# Altium PCB ArduinoProMiniPCB.PcbDoc
Units mm, origin at the board's own origin, x right, y up, seen from the top; angles counter-clockwise.
Board outline 59.9 x 30 mm, 2 copper layers (Top Layer, Bottom Layer), stack 1.671 mm thick; 26 components, 33 nets, 123 pads, 5 vias.
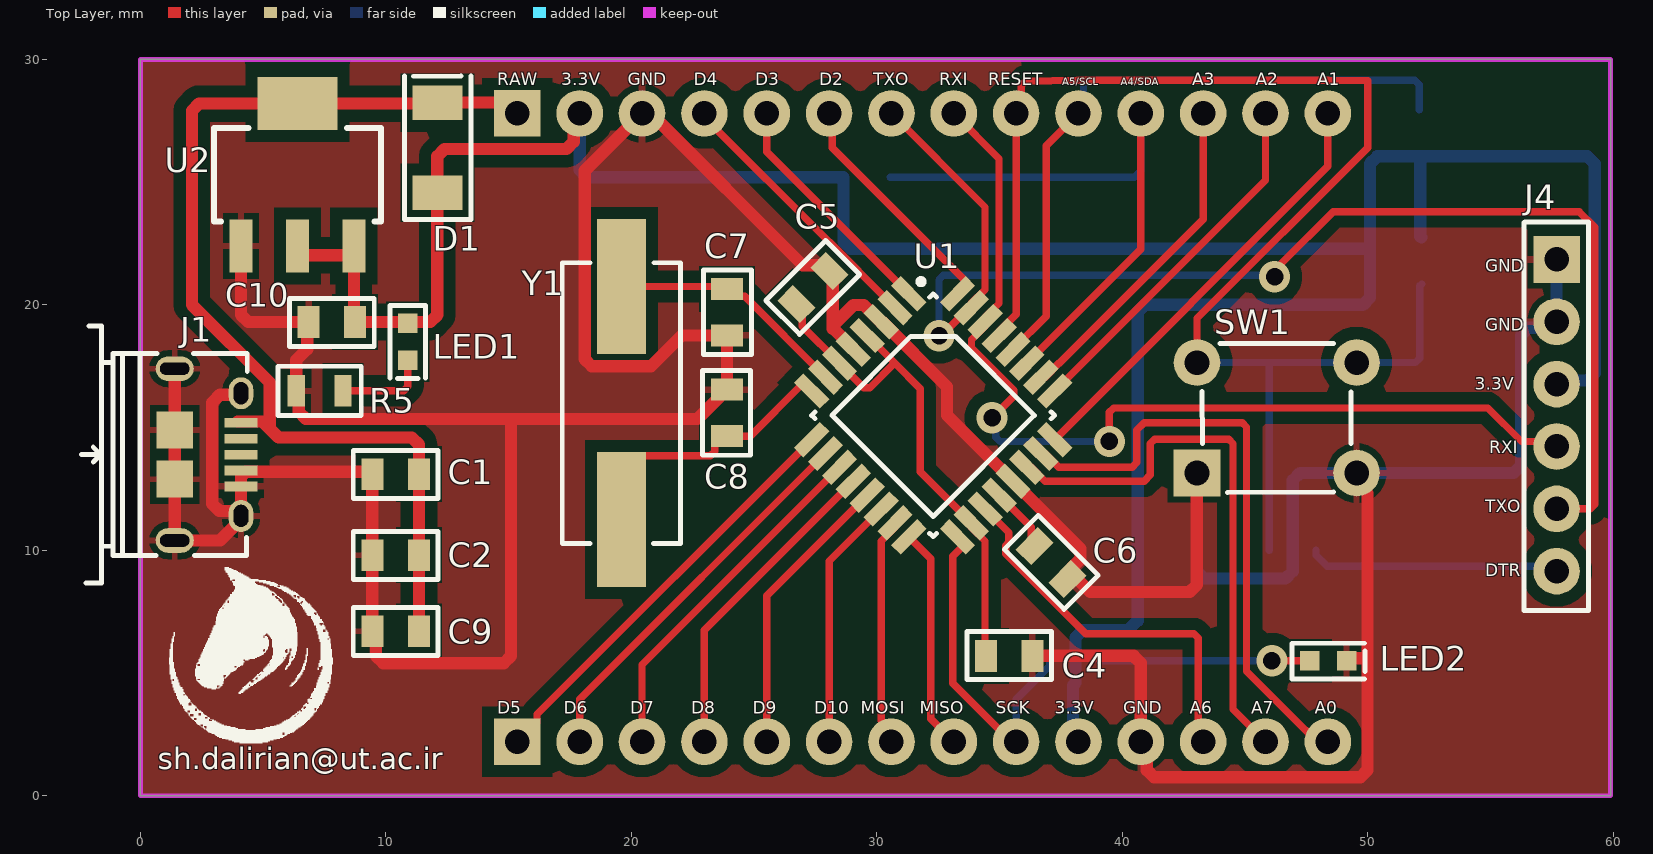
[diagram p0: Top Layer view]
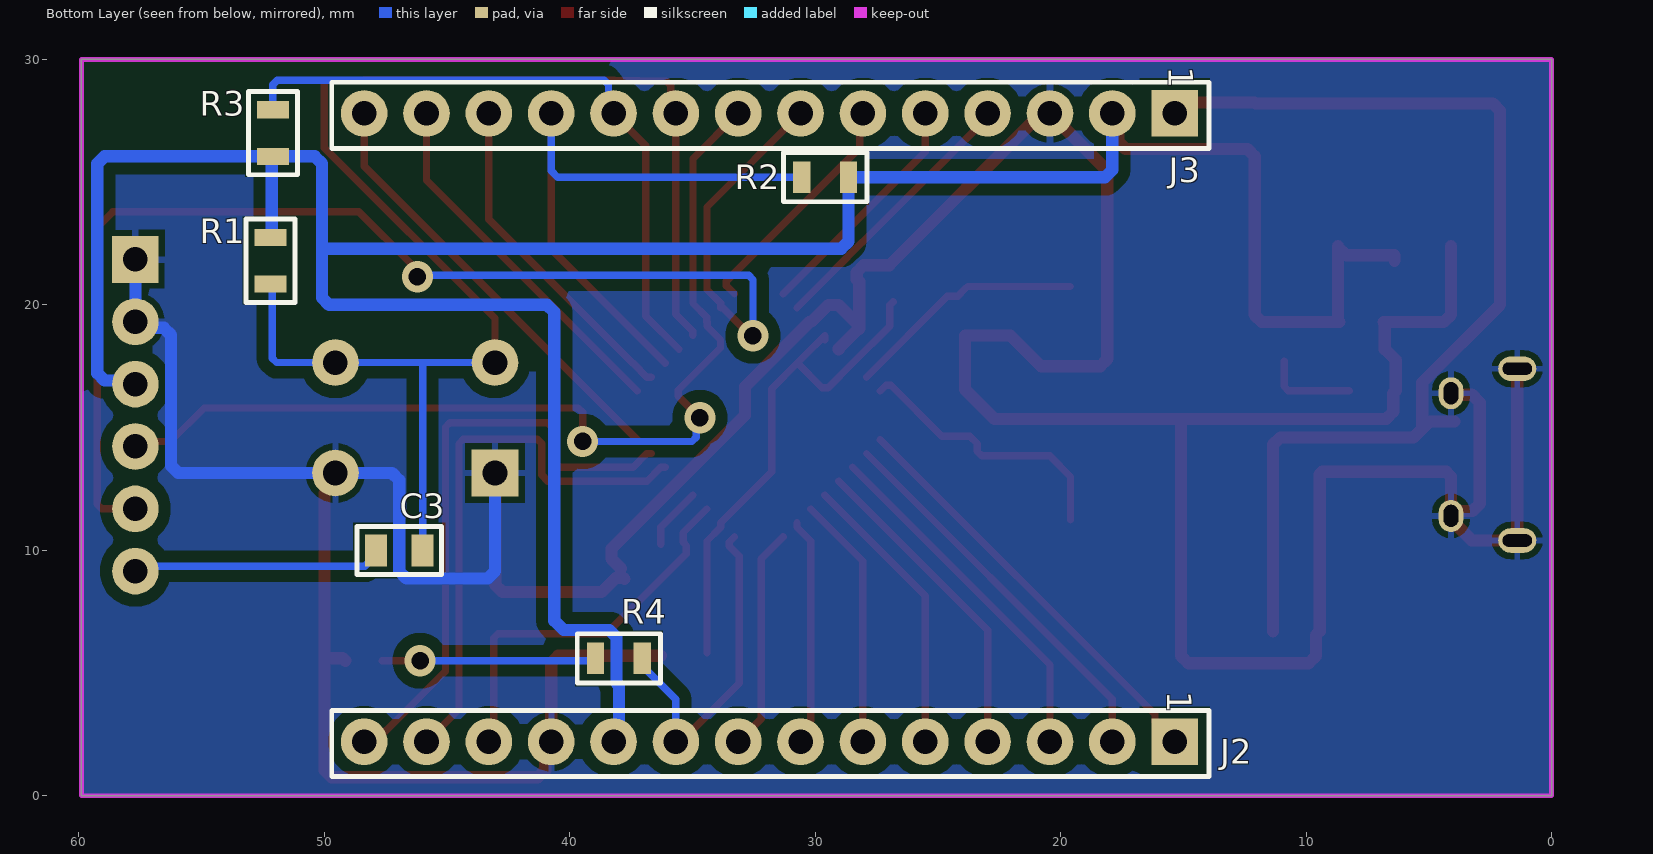
[diagram p1: Bottom Layer view, seen from below]
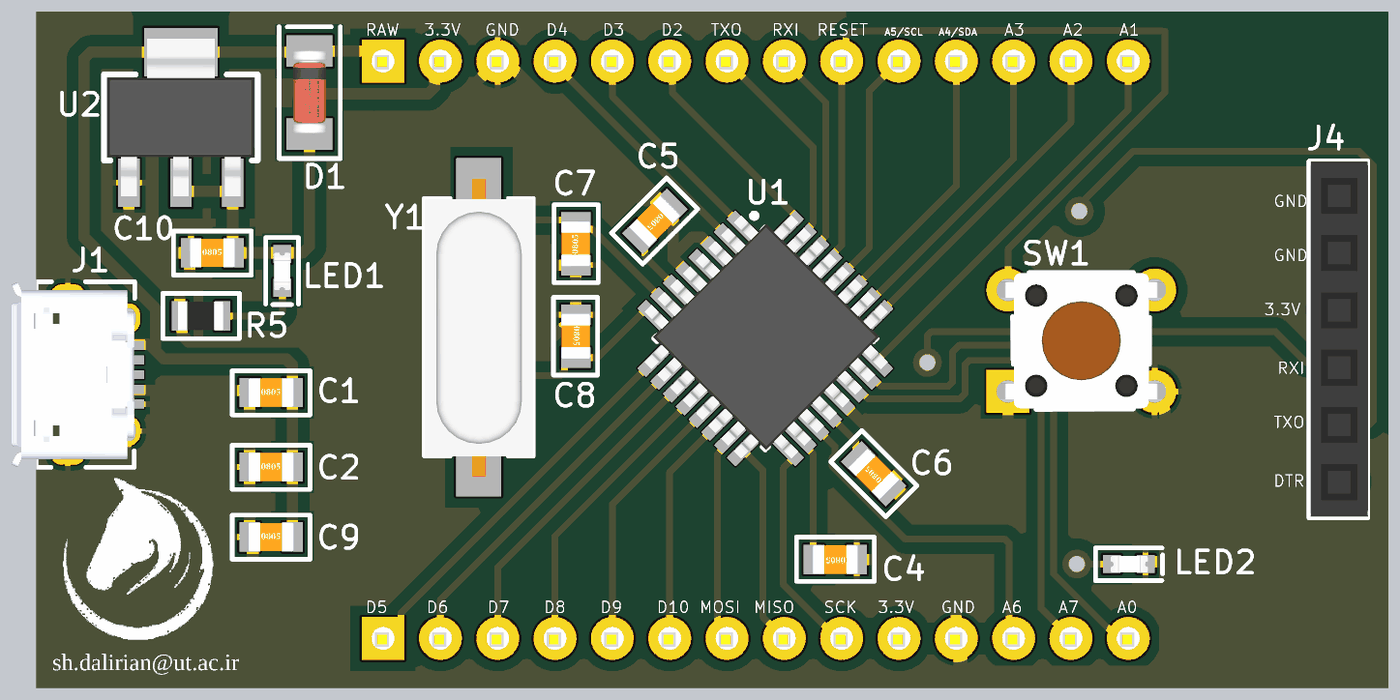
[diagram p2: 3D render of the assembled board from above, using the file's embedded part models]
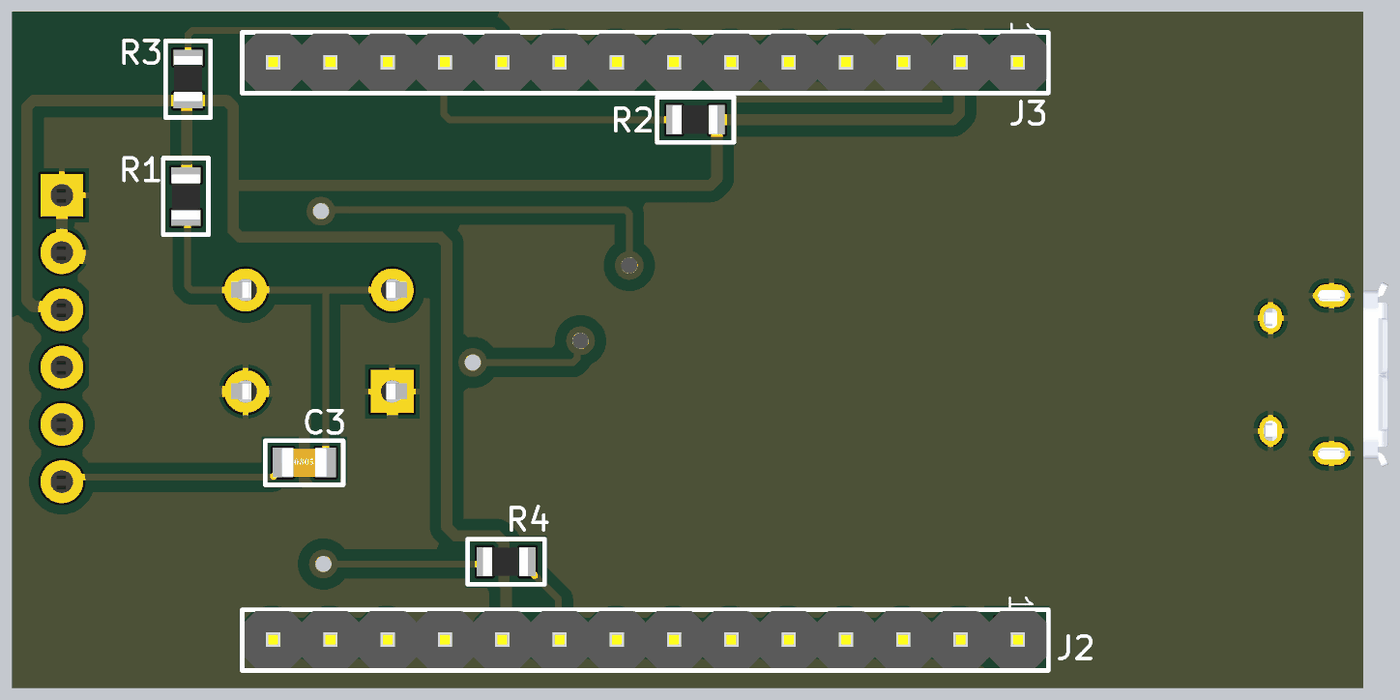
[diagram p3: 3D render of the assembled board from below, using the file's embedded part models]

## Layer stack, top to bottom
Top Solder: solder mask 0.0102, Solder Resist, Dk 3.5
Top Layer: signal copper 0.0356
Dielectric 1: dielectric 1.6, FR-4, Dk 4.8
Bottom Layer: signal copper 0.0356
Bottom Solder: solder mask 0.0102, Solder Resist, Dk 3.5

## Board outline
0,0 0,30 59.9,30 59.9,0

## Design rules (kind name [scope] priority, off if disabled: settings)
Clearance Clearance-polygon [InPolygon] p1: gap=0.5 ignorepadtopadclearanceinfootprint=FALSE
Clearance Clearance_1 [All] p2: gap=0.25 ignorepadtopadclearanceinfootprint=FALSE
HoleSize [All] p1: absolutevalues=TRUE maxlimit=5 minlimit=0.1 maxpercent=80.000 minpercent=20.000
HoleToHoleClearance [All] p1: gap=0.2 allowstackedmicrovias=TRUE
MinimumSolderMaskSliver [All] p1: minsoldermaskwidth=0.1
PolygonConnect [All] p1: connectstyle=Relief reliefconductorwidth=0.254 reliefentries=4 polygonreliefangle="90 Angle" airgapwidth=0.254
RoutingVias [All] p1: holewidth=0.6 width=0.8 viastyle="Through Hole" minholewidth=0.5 minwidth=0.7 maxholewidth=1 maxwidth=2
SilkToSilkClearance [All] p1: silktosilkclearance=0.1
SilkToSolderMaskClearance [IsPad] p1: minsilkscreentomaskgap=0.1 clearancetoexposedcopper=TRUE
SolderMaskExpansion [All] p1: expansion=0.102 istentingtop=FALSE
SupplyNets "Schematic Supply Nets_1" [InNet('3.3 V')] p1: voltage=0.000
SupplyNets "Schematic Supply Nets" [InNet('GND')] p2: voltage=0.000
Width [All] p1: maxlimit=1 minlimit=0.25 preferedwidth=0.3
25 further rules are at their usual default settings.

## Components (designator, comment, footprint, x,y, rotation, side; value= is the part's Value field where it differs from the comment)
C1 "100nF / 50V" "C 0805" 10.4,13.1 r0 top value=100nF
C2 "10uF / 16V" "C 0805" 10.4,9.8 r0 top value=10uF
C3 "100nF / 50V" "C 0805" 46.95,10 r180 bottom value=100nF
C4 "100nF / 50V" "C 0805" 35.4,5.7 r180 top value=100nF
C5 "100nF / 50V" "C 0805" 27.4,20.7 r225 top value=100nF
C6 "100nF / 50V" "C 0805" 37.1,9.5 r135 top value=100nF
C7 "100nF / 50V" "C 0805" 23.9,19.7 r90 top value=100nF
C8 "100nF / 50V" "C 0805" 23.9,15.6 r270 top value=100nF
C9 "10uF / 16V" "C 0805" 10.4,6.7 r0 top value=10uF
C10 "10uF / 16V" "C 0805" 7.8,19.3 r0 top value=10uF
D1 "1N4148UR-1" DO-213AA 12.1,26.4 r90 top value=4pF
J1 "USB connector" "USB connector" 4.1,13.9 r270 top
J2 "Header 1*14 Male" "Header 1*14 Male" 31.87,2.2 r270 bottom
J3 "Header 1*14 Male" "Header 1*14 Male" 31.87,27.8 r270 bottom
J4 "Header 1*6 Female" "Header 1*6 Female" 57.7,15.5 r0 top
LED1 "Blue" "LED 0603" 10.9,18.5 r270 top
LED2 "LED White" "LED 0603" 48.4,5.5 r0 top
R1 "10KR" "R 0805" 52.2,21.8 r90 bottom value=10kR
R2 "10KR" "R 0805" 29.6,25.2 r180 bottom value=10kR
R3 "10KR" "R 0805" 52.1,27 r270 bottom value=10kR
R4 "330R" "R 0805" 38,5.6 r180 bottom
R5 "330R" "R 0805" 7.3,16.5 r0 top
SW1 "1825910-6" SW-1825910-6 46.3,15.4 r90 top
U1 "ATMEGA328-AUR" TQFP32 32.3,15.5 r315 top
U2 "LM1117MPX-3.3/NOPB" SOT223 6.4,25.3 r90 top
Y1 "8MHz" CSM-7x 19.6,16 r270 top

## Footprints (in the part's own frame and the unit in brackets; to place one, negate y for a bottom-side part, rotate by r counter-clockwise, add the part's x,y. Pads: shape width x height; smd on the part's side, far side on the other; paste and mask are expansions set on the pad)
"C 0805" [mm]
  rect 0.9x1.3 smd: 1(-0.95,0) 2(0.95,0)
  silkscreen extent -1.73,-0.99 1.73,0.97, body extent -1,-0.64 1,0.64, height 1.3
CSM-7x [mm]
  rect 5.5x2 smd: 1(-4.75,0) 2(4.75,0)
  silkscreen extent -5.72,-2.41 5.72,2.41, body extent -6.57,-2.39 6.63,2.41, height 4.31
DO-213AA [mm]
  rect 1.4x2.03 smd: 1(-1.84,0) 2(1.84,0)
  silkscreen extent -2.92,-1.37 2.92,1.35, body extent -1.82,-0.79 1.88,0.79, height 1.6
"Header 1*6 Female" [mm]
  rect 1.9x1.9 hole 1: 1(0,6.35)
  round 1.9 hole 1: 2(0,3.81) 3(0,1.27) 4(0,-1.27) 5(0,-3.81) 6(0,-6.35)
  silkscreen extent -1.32,-7.95 1.3,7.87, body extent -1.24,-7.9 1.3,7.84, height 8.51
"Header 1*14 Male" [mm]
  rect 1.9x1.9 hole 1: 1(0,16.51)
  round 1.9 hole 1: 2(0,13.97) 3(0,11.43) 4(0,8.89) 5(0,6.35) 6(0,3.81) 7(0,1.27) 8(0,-1.27) 9(0,-3.81) 10(0,-6.35) 11(0,-8.89) 12(0,-11.43) 13(0,-13.97) 14(0,-16.51)
  silkscreen extent -1.27,-17.83 1.42,17.91, body extent -1.22,-17.73 1.32,17.83, height 8.51
"LED 0603" [mm]
  rect 0.8x0.8 smd: 1(-0.75,0) 2(0.75,0)
  silkscreen extent -1.47,-0.74 1.5,0.71, body extent -0.8,-0.37 0.85,0.36, height 0.68
"R 0805" [mm]
  rect 0.7x1.3 smd: 1(-0.95,0) 2(0.95,0)
  silkscreen extent -1.7,-1 1.7,1, body extent -1.03,-0.63 0.97,0.63, height 0.61
SOT223 [mm]
  rect 2.15x0.95 smd: 1(-2.9,2.3) 2(-2.9,0) 3(-2.9,-2.3)
  rect 2.15x3.25 smd: 4(2.9,0)
  silkscreen extent -1.91,-3.4 1.91,3.4, body extent -3.5,-3.25 3.5,3.25, height 1.66
SW-1825910-6 [mm]
  rect 1.9x1.9 hole 1: 1(-2.25,3.25)
  round 1.9 hole 1: 2(-2.25,-3.25) 3(2.25,-3.25) 4(2.25,3.25)
  silkscreen extent -3.05,-3.02 3.02,3.05, body extent -3,-3.9 3,3.9, height 5
TQFP32 [mm]
  rect 1.5x0.55 smd mask+0.06: 1(-4.2,2.8) 2(-4.2,2) 3(-4.2,1.2) 4(-4.2,0.4) 5(-4.2,-0.4) 6(-4.2,-1.2) 7(-4.2,-2) 8(-4.2,-2.8) 17(4.2,-2.8) 18(4.2,-2) 19(4.2,-1.2) 20(4.2,-0.4) 21(4.2,0.4) 22(4.2,1.2) 23(4.2,2) 24(4.2,2.8)
  rect 0.55x1.5 smd mask+0.06: 9(-2.8,-4.2) 10(-2,-4.2) 11(-1.2,-4.2) 12(-0.4,-4.2) 13(0.4,-4.2) 14(1.2,-4.2) 15(2,-4.2) 16(2.8,-4.2) 25(2.8,4.2) 26(2,4.2) 27(1.2,4.2) 28(0.4,4.2) 29(-0.4,4.2) 30(-1.2,4.2) 31(-2,4.2) 32(-2.8,4.2)
  silkscreen extent -4.3,-3.5 3.5,3.6, body extent -4.63,-4.52 4.57,4.67, height 1.2
"USB connector" [mm]
  rect 0.4x1.35 smd mask+0.06: 1(-1.295,0) 2(-0.645,0) 3(0.005,0) 4(0.655,0) 5(1.305,0)
  oval 1.3x1 hole 0.6 slot 0.9 at 0 deg mask+0.06: 6(-2.5,0) 7(2.5,0)
  oval 1x1.55 hole 0.5 slot 1.2 at 90 deg mask+0.06: 8(-3.5,-2.7) 9(3.5,-2.7)
  rect 1.5x1.5 smd mask+0.06: 10(-1,-2.7) 11(1,-2.7)
  silkscreen extent -5.23,-6.5 5.23,0.25, body extent -4.1,-5.2 4.1,0.23, height 2.66

## Part data
C1 C3 C4 C5 C6 C7 C8: library part C0805C104Z5VACTU, "Capacitor; Ceramic; Cap; .100uF; Tol%; -20%; SMT; Vol-Rtg 50V; Y5V; TR", Case Code (Imperial)=0805, Case Code (Metric)=2012, Dielectric=Y5V, Dielectric Material=Ceramic, Manufacturer=KEMET, Max Operating Temperature=85°C, Min Operating Temperature=-30°C, Package Quantity=1, Supplier Part Number=80-C0805C104Z5V, Tolerance=80%, Voltage=50V, Case/Package=0805, Category="Ceramic Capacitors", ComponentLink1Description=https://datasheet.ciiva.com/7842/1470417-7842543.pdf?src-supplier=Element14, ComponentLink1URL=https://datasheet.ciiva.com/7842/1470417-7842543.pdf?src-supplier=Element14, ComponentLink2Description=https://datasheet.ciiva.com/14608/70095383-14608251.pdf?src-supplier=Allied+Electronics, ComponentLink2URL=https://datasheet.ciiva.com/14608/70095383-14608251.pdf?src-supplier=Allied+Electronics, ComponentLink3Description=https://datasheet.ciiva.com/14597/70095383-14597846.pdf?src-supplier=Allied+Electronics, ComponentLink3URL=https://datasheet.ciiva.com/14597/70095383-14597846.pdf?src-supplier=Allied+Electronics, Construction=Flat, Depth=1.25mm, Dissipation Factor=5%, Height=0.9mm, Lead Free=5697LeadFree, Lead Pitch=0.75mm, Length=2mm, Manufacturer Part Number=C0805C104Z5VACTU, Material=4241ConductorMaterial, Mounting Technology="Surface Mount,PCB", Packaging="Tape and Reel", Pins=2NUMBER, Pricing="1=0.1, 10=0.029, 50=0.029, 100=0.018, 1000=0.013, 10000=0.007 (USD)", Radiation Hardening=No, Reach SVHC Compliant=No, RoHS=Yes, RoHS Compliant=Yes, Series=C0805C, Stock=172361, Supplier=Mouser, Termination=SMD/SMT, Thickness=0.039inch, Voltage Rating=50V, Voltage Rating (DC)=50V, Width=0.049inch
C2 C9 C10: library part C0805C106K4PACTU, "Ceramic capacitor, 10 µF, 16 V (DC), ±10 %, SMD 0805, X5R, C0805C106K4PAC7800", Case Code (Imperial)=0805, Case Code (Metric)=2012, Dielectric=X5R, Dielectric Material=Ceramic, Manufacturer=KEMET, Max Operating Temperature=85°C, Min Operating Temperature=-55°C, Package Quantity=1, Supplier Part Number=80-C0805C106K4P, Tolerance=10%, Voltage=16V, Case/Package=0805, Category="Ceramic Capacitors", ComponentLink1Description=https://datasheet.ciiva.com/7842/1732713-7842196.pdf?src-supplier=Element14, ComponentLink1URL=https://datasheet.ciiva.com/7842/1732713-7842196.pdf?src-supplier=Element14, ComponentLink2Description=https://datasheet.ciiva.com/28682/1831760-28682305.pdf?src-supplier=Element14, ComponentLink2URL=https://datasheet.ciiva.com/28682/1831760-28682305.pdf?src-supplier=Element14, ComponentLink3Description=https://datasheet.ciiva.com/11787/0900766b8116eb59-11787314.pdf?src-supplier=Rs, ComponentLink3URL=https://datasheet.ciiva.com/11787/0900766b8116eb59-11787314.pdf?src-supplier=Rs, ComponentLink4Description=https://datasheet.ciiva.com/7842/1732713-7842197.pdf?src-supplier=Element14, ComponentLink4URL=https://datasheet.ciiva.com/7842/1732713-7842197.pdf?src-supplier=Element14, Construction=Flat, Depth=1.25mm, Dissipation Factor=5%, Height=1.25mm, Lead Free="Lead Free", Length=2mm, Manufacturer Part Number=C0805C106K4PACTU, Material=4241ConductorMaterial, Mounting Technology="Surface Mount", Packaging="Tape and Reel", Pins=2, Pricing="1=0.16, 10=0.09, 50=0.09, 100=0.056, 1000=0.04, 10000=0.025 (USD)", Radiation Hardening=No, Reach SVHC Compliant=No, RoHS=Yes, RoHS Compliant=Yes, Series=C, Stock=247073, Supplier=Mouser, Termination=SMD/SMT, Thickness=0.055inch, Voltage Rating=16V, Voltage Rating (DC)=16V, Width=0.049inch
D1: "Rectifier Diode Switching 75V 0.2A 5ns 2-Pin DO-213AA Bag", Average Rectified Current=200mA, Forward Current=100mA, Forward Voltage=1.2V, Manufacturer=Microchip, Max Forward Surge Current (Ifsm)=2A, Max Operating Temperature=175°C, Max Repetitive Reverse Voltage (Vrrm)=75V, Max Reverse Current=500nA, Min Operating Temperature=-65°C, Supplier Part Number=1N4148UR-1-ND, Category="Rectifier Diodes", Element Configuration=5460ElementConfiguration, Height=1.7mm, Lead Free=5697LeadFree, Manufacturer Part Number=1N4148UR-1, Max Reverse Voltage (DC)=75V, Mounting Technology=8Mount, Packaging=14Packaging, Peak Non-Repetitive Surge Current=2A, Pins=2NUMBER, Pricing="1=0.91, 100=0.85 (USD)", Radiation Hardening=5898YesNo, Reverse Recovery Time=5ns, Reverse Voltage=75V, RoHS=No, Stock=66011, Supplier=Digikey
J1: library part 10118194-0001LF, "CONN USB MICRO B RECPT SMT R/A", Color=Black, Current Rating=1.8A, Flammability Rating="UL94 V-0", Insulation Resistance=1GR, Manufacturer="Amphenol ICC / FCI", Max Operating Temperature=85°C, Max Voltage Rating (AC)=100V, Min Operating Temperature=-55°C, Package Quantity=9600, Supplier Part Number=609-4618-1-ND, Category=LDO, Connector Type=USB,Receptacle, Contact Material="Copper Alloy", Contact Plating=Gold, Depth=5mm, Features=Shielded, Gender=Receptacle, Housing Material=Polymer, Length=8.05mm, Manufacturer Part Number=10118194-0001LF, Mounting Technology="Surface Mount,Horizontal", Number of Contacts=5, Number of Ports=1, Orientation="Right Angle", Packaging="Tape and Reel", Pins=5, Pricing="1=0.43, 10=0.367, 25=0.3436, 50=0.3272, 100=0.3116, 250=0.29204, 500=0.27808 (USD)", RoHS=No, Series=-, Stock=43110, Supplier=Digikey, Termination=Solder
J2 J3: library part PH1-14-UA, "Conn Unshrouded Header HDR 14 POS 2.54mm Solder ST Thru-Hole Bag", Flammability Rating="UL94 V-0", Insulation Color=Black, Manufacturer="Adam Equipment", Max Operating Temperature=105°C, Min Operating Temperature=-40°C, Supplier Part Number=2057-PH1-14-UA-ND, Voltage Rating (AC)=250V, Category=Connectors, ComponentLink1Description=https://datasheet.ciiva.com/16480/catpg250-254-16480235.pdf?src-supplier=Future+Electronics, ComponentLink1URL=https://datasheet.ciiva.com/16480/catpg250-254-16480235.pdf?src-supplier=Future+Electronics, Connector Type=Header, Contact Finish - Mating=GOLD, Contact Material=Brass, Contact Shape=Square, Contact Type="Male Pin", Fastening Type=Pull, Insulation Material=PBT, Lead Free="Lead Free", Manufacturer Part Number=PH1-14-UA, Mounting Technology="Through Hole", Number of Positions=14, Number of Rows=1, Packaging=Bulk, Pricing="1=0.19, 10=0.158, 100=0.1345, 500=0.12, 1000=0.11426, 5000=0.10199, 10000=0.09712 (USD)", RoHS=Yes, Series=PH1, Stock=9456, Supplier=Digikey, Termination=Solder
J4: library part M20-7820646, "2.54mm (0.1\") Pitch SIL Vertical PC Tail Socket Assembly, tin, 6 contacts", Case/Package=SIL, Flammability Rating="UL94 V-0", Insulation Color=Black, Manufacturer=Harwin, Max Operating Temperature=105°C, Min Operating Temperature=-40°C, Package Quantity=38, Supplier Part Number=952-1809-ND, Voltage Rating=1kV, Category="Headers and Wire Housings", ComponentLink1Description=https://cdn.harwin.com/pdfs/Harwin_PC_Connectors_M20.pdf?src-supplier=Rs, ComponentLink1URL=https://cdn.harwin.com/pdfs/Harwin_PC_Connectors_M20.pdf?src-supplier=Rs, ComponentLink2Description=http://www.harwin.com/include/downloads/pdfs/2010PAGE120.PDF?src-supplier=Avnet, ComponentLink2URL=http://www.harwin.com/include/downloads/pdfs/2010PAGE120.PDF?src-supplier=Avnet, ComponentLink3Description=https://cdn.harwin.com/pdfs/M20-782.pdf?src-supplier=Digikey, ComponentLink3URL=https://cdn.harwin.com/pdfs/M20-782.pdf?src-supplier=Digikey, ComponentLink4Description=https://cdn.harwin.com/pdfs/Harwin_PC_Connectors_M20.pdf?src-supplier=Mouser, ComponentLink4URL=https://cdn.harwin.com/pdfs/Harwin_PC_Connectors_M20.pdf?src-supplier=Mouser, ComponentLink5Description=https://cdn.harwin.com/pdfs/Harwin_PC_Connectors_M20.pdf?src-supplier=TTI, ComponentLink5URL=https://cdn.harwin.com/pdfs/Harwin_PC_Connectors_M20.pdf?src-supplier=TTI, ComponentLink6Description=https://datasheet.octopart.com/M20-7820646-Harwin-datasheet-188872139.pdf?src-supplier=TME, ComponentLink6URL=https://datasheet.octopart.com/M20-7820646-Harwin-datasheet-188872139.pdf?src-supplier=TME, Connector Type=Receptacle, Contact Finish - Mating=TIN, Contact Gender=Female, Contact Material=Bronze, Contact Plating=Tin, Contact Shape=Square, Contact Type="Female Socket", Fastening Type=Pull, Insulation Material=Nylon, Manufacturer Part Number=M20-7820646, Mated Stacking Heights=12.63mm, Mounting Technology="Through Hole", Number of Contacts=6, Number of Positions=6, Number of Rows=1, Packaging=Rail/Tube, Pitch=2.54mm, Pricing="1=1.11, 36=0.86417, 108=0.79954, 504=0.7171, 1008=0.68287, 5004=0.60989, 10008=0.58081 (USD)", Radiation Hardening=No, RoHS=Yes, RoHS Compliant=Yes, Series=M20, Stock=1820, Supplier=Digikey, Termination=Solder
LED1: library part LTST-C194TBKT, "LED BLUE CLEAR 0603 SMD", Manufacturer="Vishay Lite-On", Supplier Part Number=160-1837-1-ND, Category=LEDs, ComponentLink1Description=https://datasheet.ciiva.com/2115/ltst-c194tbkt-2115056.pdf?src-supplier=Digikey, ComponentLink1URL=https://datasheet.ciiva.com/2115/ltst-c194tbkt-2115056.pdf?src-supplier=Digikey, ComponentLink2Description=https://datasheet.ciiva.com/4689/lite-on-ltst-c194tbkt-187209-4689177.pdf?src-supplier=Mouser, ComponentLink2URL=https://datasheet.ciiva.com/4689/lite-on-ltst-c194tbkt-187209-4689177.pdf?src-supplier=Mouser, ComponentLink3Description=https://datasheet.ciiva.com/2115/s-110-ltst-c194tbkt-2115057.pdf?src-supplier=Digikey, ComponentLink3URL=https://datasheet.ciiva.com/2115/s-110-ltst-c194tbkt-2115057.pdf?src-supplier=Digikey, Manufacturer Part Number=LTST-C194TBKT, Pricing="1=0.22, 10=0.15, 100=0.1045, 500=0.08376, 1000=0.07688, 2000=0.07101 (USD)", RoHS=Yes, Stock=57720, Supplier=Digikey
LED2: library part IN-S63AT5UW, "SMD LED - Mono Color Top View, 0603 0.40mm LED PCB Type, White, High Brightness, Clear Lens, Angle 120", Case Code (Imperial)=0603, Case Code (Metric)=1608, Color=White, Forward Current=25mA, Forward Voltage=3V, Lens Color=Clear, Manufacturer=Inolux, Max Operating Temperature=85°C, Min Operating Temperature=-40°C, Power Dissipation=75mW, Reverse Voltage=5V, Supplier Part Number=1830-1063-1-ND, Test Current=5mA, Case/Package=0603, Category=LEDs, ComponentLink1Description=http://www.inolux-corp.com/datasheet/SMDLED/Mono%20Color%20Top%20View/IN-S63AT%20Series_V1.1.pdf?src-supplier=Digikey, ComponentLink1URL=http://www.inolux-corp.com/datasheet/SMDLED/Mono%20Color%20Top%20View/IN-S63AT%20Series_V1.1.pdf?src-supplier=Digikey, Height=0.4mm, Length=1.6mm, Lens Size=0.8mm, Lens Style=Flat, Lens Transparency=Clear, Luminous Intensity=900mcd, Manufacturer Part Number=IN-S63AT5UW, Mounting Technology="Surface Mount", Number of Circuits=1, Packaging="Cut Tape", Pins=2, Pricing="1=0.17, 10=0.118, 100=0.0817, 500=0.065, 1000=0.05945, 2000=0.05472 (USD)", Reach SVHC Compliant=Yes, RoHS=No, Series=IN-S63AT, Shape=Rectangular, Supplier=Digikey, Terminal Pitch=1.5mm, Viewing Angle=120°, Width=0.8mm
R1 R2 R3: library part RC0805FR-0710KL, "Res Thick Film 0805 10K Ohm 1% 0.125W(1/8W) +/-100ppm/C Epoxy Pad SMD T/R", Case Code (Imperial)=0805, Case Code (Metric)=2012, Manufacturer=Yageo, Max Operating Temperature=155°C, Max Power Dissipation=125mW, Min Operating Temperature=-55°C, Package Quantity=1, Resistance Tolerance=1%, Resistor Type="Thick Film", Supplier Part Number=3310877, Temperature Coefficient=100ppm/°C, Voltage Rating=150V, Case/Package=0805, Category="Chip SMD Resistors", ComponentLink1Description=https://datasheet.ciiva.com/11808/0900766b8106beab-11808151.pdf?src-supplier=Rs, ComponentLink1URL=https://datasheet.ciiva.com/11808/0900766b8106beab-11808151.pdf?src-supplier=Rs, ComponentLink2Description=https://datasheet.ciiva.com/46447/444164-46447563.pdf?src-supplier=Element14, ComponentLink2URL=https://datasheet.ciiva.com/46447/444164-46447563.pdf?src-supplier=Element14, ComponentLink3Description=https://datasheet.ciiva.com/2456/pyu-r-int-thick-7-2456973.pdf?src-supplier=Digikey, ComponentLink3URL=https://datasheet.ciiva.com/2456/pyu-r-int-thick-7-2456973.pdf?src-supplier=Digikey, ComponentLink4Description=https://datasheet.ciiva.com/2456/pyu-r-int-thick-7-2456974.pdf?src-supplier=Digikey, ComponentLink4URL=https://datasheet.ciiva.com/2456/pyu-r-int-thick-7-2456974.pdf?src-supplier=Digikey, ComponentLink5Description=https://datasheet.ciiva.com/2456/pyu-r-int-thick-7-2456972.pdf?src-supplier=Digikey, ComponentLink5URL=https://datasheet.ciiva.com/2456/pyu-r-int-thick-7-2456972.pdf?src-supplier=Digikey, ComponentLink6Description=https://datasheet.ciiva.com/12669/rc0805-12669688.pdf?src-supplier=Mouser, ComponentLink6URL=https://datasheet.ciiva.com/12669/rc0805-12669688.pdf?src-supplier=Mouser, ComponentLink7Description=https://datasheet.ciiva.com/16747/rc0805-16747087.pdf?src-supplier=Future+Electronics, ComponentLink7URL=https://datasheet.ciiva.com/16747/rc0805-16747087.pdf?src-supplier=Future+Electronics, Construction=Rectangular, Depth=1.25mm, Features="Moisture Resistant", Height=0.024inch, Lead Free="Lead Free", Length=0.079inch, Manufacturer Part Number=RC0805FR-0710KL, Military Standard=Not, Number of Terminations=2, Packaging="Tape and Reel", Power Rating=125mW, Pricing="5000=0.0018, 25000=0.0017, 125000=0.0017, 375000=0.0016, 1000000=0.0015 (USD)", Reach SVHC Compliant=Unknown, RoHS=Yes, RoHS Compliant=Yes, Series=RC, Stock=7805000, Supplier="Future Electronics", Technology="THICK FILM", Termination=SMD/SMT, Tolerance=1%, Voltage Rating (AC)=150V, Width=0.049inch
R4 R5: library part RC0805JR-07330RL, "SMD Chip Resistor 330 Ohm ½ 5% 125 Mw 0805 [2012 Metric] Thick Film General Purpose", Manufacturer=Yageo, Supplier Part Number=2427101, Voltage Rating (AC)=150V, Category="Chip SMD Resistors", ComponentLink1Description=https://datasheet.ciiva.com/12555/rc0805-257173-12555078.pdf?src-supplier=Mouser, ComponentLink1URL=https://datasheet.ciiva.com/12555/rc0805-257173-12555078.pdf?src-supplier=Mouser, ComponentLink2Description=https://datasheet.ciiva.com/46395/444164-46395119.pdf?src-supplier=Element14, ComponentLink2URL=https://datasheet.ciiva.com/46395/444164-46395119.pdf?src-supplier=Element14, ComponentLink3Description=https://datasheet.ciiva.com/7941/442941-7941941.pdf?src-supplier=Element14, ComponentLink3URL=https://datasheet.ciiva.com/7941/442941-7941941.pdf?src-supplier=Element14, ComponentLink4Description=https://datasheet.ciiva.com/7941/442941-7941942.pdf?src-supplier=Element14, ComponentLink4URL=https://datasheet.ciiva.com/7941/442941-7941942.pdf?src-supplier=Element14, ComponentLink5Description=https://datasheet.ciiva.com/17008/rc0805-17008395.pdf?src-supplier=Future+Electronics, ComponentLink5URL=https://datasheet.ciiva.com/17008/rc0805-17008395.pdf?src-supplier=Future+Electronics, Lead Free=5697LeadFree, Manufacturer Part Number=RC0805JR-07330RL, Pricing="100=0.007, 1000=0.006, 2500=0.005, 5000=0.004, 10000=0.003 (GBP)", RoHS=Yes, Stock=17600, Supplier=Rs
SW1: "Switch Tactile OFF (ON) SPST Round Button PC Pins 0.05A 24VDC 1.57N Thru-Hole Loose", Color=46Colour, Contact Current Rating=50mA, Insulation Resistance=100MR, Manufacturer="TE Connectivity Alcoswitch", Max Operating Temperature=85°C, Max Voltage Rating (DC)=24V, Min Operating Temperature=-35°C, Operating Force=160gf, Supplier Part Number=9026957, Actuator Length=0.055inch, Actuator Material=PBT, Actuator Type=Standard, Category="Pushbutton Switches", Contact Material="Copper Alloy", Contact Plating=Silver, Current Rating=50mA, ELV=5681ELVCompliant, Illumination Type=Non-Illuminated,Illuminated, Lead Free=5697LeadFree, Length=5.99mm, Manufacturer Part Number=1825910-6, Material=4261ConductorMaterial, Max Current Rating=50mA, Mechanical Life=100000Cycles, Mounting Technology="Through Hole", Number of Positions=2NUMBER, Packaging="Loose Piece", Pricing="750=0.0353, 3000=0.0342, 7500=0.0335, 18750=0.0328, 30000=0.0317 (USD)", Reach SVHC Compliant=Unknown, RoHS=Yes, RoHS Compliant=Yes, Series=FSMJ, Stock=63628, Supplier="Future Electronics", Switch Function=Off-Mom, Switch Travel=0.25mm, Termination="PC Pins", Throw Configuration=SPST, Type=Switch, Width=6mm
U1: "MCU 8-bit ATmega AVR RISC 32KB Flash 2.5V/3.3V/5V 32-Pin TQFP T/R - Tape and Reel", Case/Package=TQFP, Clock Frequency=20MHz, Manufacturer=Microchip, Max Operating Temperature=85°C, Max Supply Voltage=5.5V, Min Operating Temperature=-40°C, Min Supply Voltage=1.8V, Supplier Part Number=ATMEGA328-AURCT-ND, Category=Microcontrollers, ComponentLink1Description=http://www.farnell.com/datasheets/2047852.pdf?src-supplier=Farnell, ComponentLink1URL=http://www.farnell.com/datasheets/2047852.pdf?src-supplier=Farnell, ComponentLink2Description=http://www.farnell.com/datasheets/2047852.pdf?src-supplier=Newark, ComponentLink2URL=http://www.farnell.com/datasheets/2047852.pdf?src-supplier=Newark, ComponentLink3Description=http://www.microchip.com/mymicrochip/filehandler.aspx?ddocname=en589968&src-supplier=Digikey, ComponentLink3URL=http://www.microchip.com/mymicrochip/filehandler.aspx?ddocname=en589968&src-supplier=Digikey, ComponentLink4Description=https://datasheet.octopart.com/ATMEGA328-AUR-Microchip-datasheet-62316222.pdf?src-supplier=Element14, ComponentLink4URL=https://datasheet.octopart.com/ATMEGA328-AUR-Microchip-datasheet-62316222.pdf?src-supplier=Element14, ComponentLink5Description=https://datasheet.octopart.com/ATMEGA328-AUR-Microchip-datasheet-133520744.pdf?src-supplier=Future+Electronics, ComponentLink5URL=https://datasheet.octopart.com/ATMEGA328-AUR-Microchip-datasheet-133520744.pdf?src-supplier=Future+Electronics, ComponentLink6Description=https://datasheet.octopart.com/ATMEGA328-AUR-Microchip-datasheet-14353408.pdf?src-supplier=Newark, ComponentLink6URL=https://datasheet.octopart.com/ATMEGA328-AUR-Microchip-datasheet-14353408.pdf?src-supplier=Newark, ComponentLink7Description=https://datasheet.octopart.com/ATMEGA328-AUR-Atmel-datasheet-14421303.pdf?src-supplier=Farnell, ComponentLink7URL=https://datasheet.octopart.com/ATMEGA328-AUR-Atmel-datasheet-14421303.pdf?src-supplier=Farnell, ComponentLink8Description=https://datasheet.octopart.com/ATMEGA328-AUR-Microchip-datasheet-68295846.pdf?src-supplier=SHENGYU+ELECTRONICS, ComponentLink8URL=https://datasheet.octopart.com/ATMEGA328-AUR-Microchip-datasheet-68295846.pdf?src-supplier=SHENGYU+ELECTRONICS, ComponentLink9Description=https://datasheet.octopart.com/ATMEGA328-AUR-Microchip-datasheet-154741723.pdf?src-supplier=Electro+Sonic, ComponentLink9URL=https://datasheet.octopart.com/ATMEGA328-AUR-Microchip-datasheet-154741723.pdf?src-supplier=Electro+Sonic, Contact Plating=154ConductorMaterial, Core Architecture=PIC, Data Bus Width=8b, Frequency=20MHz, Interface=I2C,SPI,UART,USART, Manufacturer Part Number=ATMEGA328-AUR, Memory Format=FLASH, Memory Size=32KB, Mounting Technology="Surface Mount", Number of I/Os=23, Number of Programmable I/O=23NUMBER, Number of Timers/Counters=3NUMBER, Oscillator Type=Internal, Packaging="Cut Tape", Peripherals="Brown-out Detect/Reset,POR,PWM,WDT,HLVD", Pins=32, Pricing="1=2.51, 25=2.31, 100=2.1 (USD)", RAM Size=2KB, Reach SVHC Compliant=No, RoHS=Yes, RoHS Compliant=Yes, Series="PIC® XLP™ 18F", Stock=16791, Supplier=Digikey, Watchdog Timer=5512WatchdogTimer
U2: "800-mA 15-V linear voltage regulator ; 4-SOT-223 0 to 125", Manufacturer="Texas Instruments", Min Current Limit=800mA, Supplier Part Number=926-LM1117MPX3.3NOPB, Category="Voltage Regulators - Linear", ComponentLink1Description=http://www.jameco.com/Jameco/Products/ProdDS/1282978.pdf?src-supplier=Jameco, ComponentLink1URL=http://www.jameco.com/Jameco/Products/ProdDS/1282978.pdf?src-supplier=Jameco, ComponentLink2Description=http://www.mouser.com/ds/2/405/snos412m-286860.pdf?src-supplier=Mouser, ComponentLink2URL=http://www.mouser.com/ds/2/405/snos412m-286860.pdf?src-supplier=Mouser, ComponentLink3Description=http://components.arrow.com/part/dataview/41724903S9714588N1317?src-supplier=Arrow+Electronics, ComponentLink3URL=http://components.arrow.com/part/dataview/41724903S9714588N1317?src-supplier=Arrow+Electronics, ComponentLink4Description=http://www.ti.com/general/docs/lit/getliterature.tsp?genericPartNumber=LM1117&fileType=pdf&src-supplier=Farnell, ComponentLink4URL=http://www.ti.com/general/docs/lit/getliterature.tsp?genericPartNumber=LM1117&fileType=pdf&src-supplier=Farnell, ComponentLink5Description=http://www.ti.com/general/docs/lit/getliterature.tsp?genericPartNumber=LM1117&&fileType=pdf&src-supplier=Farnell, ComponentLink5URL=http://www.ti.com/general/docs/lit/getliterature.tsp?genericPartNumber=LM1117&&fileType=pdf&src-supplier=Farnell, ComponentLink6Description=http://www.ti.com/lit/ds/symlink/lm1117.pdf?src-supplier=Digikey, ComponentLink6URL=http://www.ti.com/lit/ds/symlink/lm1117.pdf?src-supplier=Digikey, ComponentLink7Description=http://www.ti.com/general/docs/lit/getliterature.tsp?genericPartNumber=LM1117&fileType=pdf&src-supplier=Newark, ComponentLink7URL=http://www.ti.com/general/docs/lit/getliterature.tsp?genericPartNumber=LM1117&fileType=pdf&src-supplier=Newark, ComponentLink8Description=http://www.ti.com/general/docs/lit/getliterature.tsp?genericPartNumber=LM1117&&fileType=pdf&src-supplier=Avnet, ComponentLink8URL=http://www.ti.com/general/docs/lit/getliterature.tsp?genericPartNumber=LM1117&&fileType=pdf&src-supplier=Avnet, Lead Free=5697LeadFree, Manufacturer Part Number=LM1117MPX-3.3/NOPB, Number of Channels=1NUMBER, Pricing="1=0.95, 10=0.685, 50=0.621, 100=0.551, 1000=0.48, 10000=0.454 (USD)", Radiation Hardening=5898YesNo, RoHS=Yes, Stock=10836, Supplier=Mouser, Thickness=1.6mm
Y1: library part ECS-80-18-5PX-TR, "Crystal 8MHz ±30ppm (Tol) ±50ppm (Stability) 18pF FUND 60Ohm 2-Pin HC-49/USX SMD T/R", Manufacturer="ECS International", Supplier Part Number=XC1271CT-ND, Category=Crystals, ComponentLink1Description=https://datasheet.ciiva.com/852/csm-7x-852380.pdf?src-supplier=Digikey, ComponentLink1URL=https://datasheet.ciiva.com/852/csm-7x-852380.pdf?src-supplier=Digikey, ComponentLink2Description=https://datasheet.ciiva.com/852/csm-7x-852381.pdf?src-supplier=Digikey, ComponentLink2URL=https://datasheet.ciiva.com/852/csm-7x-852381.pdf?src-supplier=Digikey, ComponentLink3Description=https://datasheet.ciiva.com/852/csm-7x-852382.pdf?src-supplier=Digikey, ComponentLink3URL=https://datasheet.ciiva.com/852/csm-7x-852382.pdf?src-supplier=Digikey, Manufacturer Part Number=ECS-80-18-5PX-TR, Pricing="1=0.3, 10=0.259, 50=0.235, 100=0.2254, 500=0.2043 (USD)", RoHS=Yes, Stock=23271, Supplier=Digikey

## Via types
v1: diameter 1.27, hole 0.711, Top Layer to Bottom Layer, tented both sides, 5 vias

## Nets (pads, with @x,y where several pads share a name; then routed paths per layer and width w, separated by ;. In a path a pad name is that pad's centre, name@x,y a point inside that pad or via, vN(x,y) a via of type N, cw(c..) or ccw(c..) an arc to the next point about the centre after c; other vN are vias at no path point)
"3.3 V": C10.2 D1.1 J2.10 J3.2 J4.3 LED1.1 R1.2 R2.2 R3.2 U2.2 U2.3 | length 118.2
  Top Layer w0.5: U2.2@6.4,21.8 6.4,22.025 8.375,22.025 U2.3@8.7,22.35 ; U2.3 U2.3@8.7,22.35 ; J3.2 17.653,27.553 17.653,26.643 17.36,26.35 12.393,26.35 12.1,26.057 D1.1 12.1,19.593 11.807,19.3 8.65,19.3 8.7,19.35 U2.3@8.7,22.35
  Bottom Layer w0.5: J3.2 17.9,25.493 18.193,25.2 R2.2 28.65,22.583 28.943,22.291 50.1,22.291 ; J2.10 38,2.42 38,4.5 38.1,4.6 38.1,6.457 38.393,6.75 40.25,6.75 40.635,7.135 40.635,19.707 40.928,20 49.807,20 50.1,20.293 50.1,22.291 ; R1.2 52.15,22.8 52.15,26 R3.2 ; J4.3 57.847,16.917 58.957,16.917 59.25,17.21 59.25,25.757 58.957,26.05 R3.2 ; 50.1,22.291 50.1,25.757 50.393,26.05 R3.2
A0: J2.14 U1.23 | length 24.7
  Top Layer w0.3: U1.23 36.861,13.944 37.42,13.385 40.41,13.385 40.6,13.576 40.6,14.9 40.9,15.2 44.889,15.2 45.065,15.024 45.065,5.071 47.468,2.668 47.479,2.668 47.947,2.2 J2.14
A1: J3.14 U1.24 | length 17.9
  Top Layer w0.3: U1.24 48.38,25.64 J3.14
A2: J3.13 U1.25 | length 14.9
  Top Layer w0.3: U1.25 45.84,25.08 J3.13
A3: J3.12 U1.26 | length 13.6
  Top Layer w0.3: U1.26 36.861,17.056 37.42,17.615 37.43,17.615 43.3,23.484 J3.12
A4/SDA: J3.11 R2.1 U1.27 | length 24.8
  Top Layer w0.3: U1.27 40.76,22.263 J3.11
  Bottom Layer w0.3: R2.1 40.5,25.2 40.76,25.46 J3.11
A5/SCL: J3.10 R3.1 U1.28 | length 26.8
  Top Layer w0.3: U1.28 36.901,19.536 36.901,26.481 J3.10
  Bottom Layer w0.3: J3.10 38.426,28.006 38.426,28.974 38.601,29.15 51.924,29.15 52.1,28.974 R3.1
A6: J2.12 U1.19 | length 15.8
  Top Layer w0.3: U1.19 35.379,10.724 35.379,10.324 35.25,10.196 35.25,9.865 38.515,6.6 42.924,6.6 43.1,6.424 43.1,2.4 J2.12
A7: J2.13 U1.22 | length 22.9
  Top Layer w0.3: U1.22 36.295,13.379 36.854,12.82 40.894,12.82 41.15,13.076 41.15,14.353 41.326,14.528 44.339,14.528 44.515,14.353 44.515,3.525 J2.13
D2: J3.6 U1.32 | length 9.8
  Top Layer w0.3: J3.6 28.188,27.672 28.188,26.4 33.626,20.962 33.626,20.786 U1.32
D3: J3.5 U1.1 | length 9.7
  Top Layer w0.3: J3.5 25.52,26.24 U1.1
D4: J3.4 U1.2 | length 11.1
  Top Layer w0.3: J3.4 22.98,27.648 28.079,22.55 28.096,22.55 29.25,21.396 29.25,21.379 U1.2
D5: J2.1 U1.9 | length 17.3
  Top Layer w0.3: J2.1 16.16,3 16.16,3.32 U1.9
D6: J2.2 U1.10 | length 15.9
  Top Layer w0.3: J2.2 17.9,3.928 U1.10
D7: J2.3 U1.11 | length 14.5
  Top Layer w0.3: J2.3 20.44,5.337 U1.11
D8: J2.4 U1.12 | length 13.1
  Top Layer w0.3: J2.4 22.98,6.746 U1.12
D9: J2.5 U1.13 | length 11.7
  Top Layer w0.3: J2.5 25.52,8.154 U1.13
D10: J2.6 U1.14 | length 10.4
  Top Layer w0.3: J2.6 28.06,9.563 U1.14
DTR: C3.1 J4.6 | length 10.4
  Bottom Layer w0.3: C3.1 47.9,9.8 48.35,9.35 J4.6@57.9,9.35
GND: C1.1 C2.1 C4.1 C5.1 C6.1 C7.1 C8.1 C9.1 C10.1 J1.4 J1.5 J1.6 J1.7 J1.8 J1.9 J1.10 J1.11 J2.11 J3.3 J4.1 J4.2 LED2.2 R5.1 SW1.1 SW1.2 U1.3 U1.5 U1.21 U2.1 | length 197.2
  Top Layer w0.5: J1.8 J1.10 J1.11 J1.9 3.25,10.4 4.1,11.25 J1.7 ; J1.6@4.1,16.385 4.056,16.341 3.241,16.341 2.925,16.025 2.925,11.892 3.218,11.599 3.901,11.599 J1.7 ; U2.1 4.1,19.593 4.393,19.3 C10.1@6.8,19.3 ; C10.1 C10.1@6.8,19.3 ; 28.21,19.025 28.21,20.944 28.313,21.047 28.313,21.33 28.03,21.613 26.987,21.613 20.8,27.8 J3.3 18.1,25.46 18.1,17.793 18.393,17.5 20.807,17.5 22.057,18.75 C7.1 C8.1 22.7,15.35 15.1,15.35 ; U1.5 29.047,18.222 28.285,18.985 28.285,19.223 29.055,19.993 29.469,19.993 30.143,19.318 U1.3 30.214,19.318 32.866,16.667 32.866,15.5 U1.21 38.306,10.06 38.306,9.645 C6.1@37.913,9.253 ; C4.1@36.3,5.7 C4.1 40.467,5.7 40.76,5.407 J2.11 41.007,1.953 41.007,1.043 41.3,0.75 49.707,0.75 50,1.043 50,5.6 ; C6.1 37.83,8.886 38.113,8.886 38.699,8.3 42.75,8.3 43.043,8.593 43.043,13.143 SW1.1 ; LED2.2 49.25,5.6 50,5.6 ; SW1.2 49.55,12.771 50,12.321 50,5.6 ; J1.7 J1.5 4.1,13 4.295,13.195 9.355,13.195 C1.1 C2.1 C9.1 9.604,6.546 9.604,5.693 9.896,5.4 14.807,5.4 15.1,5.693 15.1,15.35 ; C10.1@6.8,19.3 6.795,19.295 6.795,18.195 6.35,17.75 R5.1 6.45,16.4 6.45,15.643 6.743,15.35 15.1,15.35
  Bottom Layer w0.5: SW1.1 43.05,9.143 43.343,8.85 46.657,8.85 46.95,9.143 46.95,12.857 47.243,13.15 SW1.2 55.957,13.15 56.25,13.443 56.25,18.77 56.543,19.063 57.453,19.063 J4.2 J4.1
MISO: J2.8 U1.16 | length 9.1
  Top Layer w0.3: U1.16 32.2,9.66 32.2,3.14 J2.8
MOSI: J2.7 U1.15 | length 9.3
  Top Layer w0.3: J2.7 30.6,2.633 30.185,3.048 30.185,10.38 30.744,10.939 U1.15
NetC4_2: C4.2 C5.2 U1.4 U1.6 U1.18 | length 21.4
  Top Layer w0.3: C5.2@26.828,20.128 26.97,19.987 26.97,19.133 U1.6 29.477,16.626 29.726,16.626 30.7,17.6 30.7,17.666 ; U1.4@29.613,18.576 U1.4 29.701,18.664 30.388,17.977 30.733,17.633 31.779,16.587 31.779,13.193 U1.18 33.856,10.939 34.415,10.38 C4.2@34.415,5.815
NetC6_2: C6.2 U1.20 | length 2.5
  Top Layer w0.3: U1.20 36.3,10.934 C6.2@36.3,10.244
NetC7_2: C7.2 U1.7 Y1.1 | length 9.8
  Top Layer w0.3: Y1.1 23.8,20.75 C7.2 24.2,20.35 24.622,20.35 U1.7
NetC8_2: C8.2 U1.8 Y1.2 | length 11.3
  Top Layer w0.3: Y1.2 19.6,13 20.45,13.85 23.224,13.85 23.4,14.026 23.4,14.35 23.7,14.65 24.85,14.65 26.932,16.732 27.108,16.732 U1.8
NetLED1_2: LED1.2 R5.2 | length 3.7
  Top Layer w0.3: R5.2 10.724,16.5 10.9,16.676 LED1.2@10.9,17.7
NetLED2_1: LED2.1 R4.1 | length 8.7
  Top Layer w0.3: v1(46.1,5.5) LED2.1
  Bottom Layer w0.3: R4.1 39.05,5.5 v1(46.1,5.5)
RAW: C1.2 C2.2 C9.2 D1.2 J1.1 J3.1 U2.4 | length 43.1
  Top Layer w0.5: J1.1@3.971,15.25 3.976,15.245 4.932,15.245 ; 4.982,15.245 5.24,14.988 5.627,14.6 11.057,14.6 11.35,14.307 C2.2 C9.2 ; 5.275,15.023 5.275,16.825 2.1,20 2.1,27.907 2.393,28.2 U2.4 12.06,28.2 D1.2 14.92,28.24 J3.1
RESET: C3.2 J3.9 R1.1 SW1.3 SW1.4 U1.29 | length 59
  Top Layer w0.3: U1.29 34.987,18.929 35.68,19.622 J3.9 35.886,28.006 35.886,28.941 36.061,29.117 38.198,29.15 cw(c38.22,27.8) 38.22,29.15 48.38,29.15 cw(c48.38,27.8) 48.404,29.15 50,29.124 50,26.4 43.05,19.45 SW1.4
  Bottom Layer w0.3: SW1.4 46,17.65 ; C3.2 46,17.65 ; R1.1 52.126,20.776 52.126,17.826 51.95,17.65 46,17.65
RXI: J3.8 J4.4 U1.30 | length 40.5
  Top Layer w0.3: J3.8 34.98,25.96 34.98,20.054 34.421,19.495 U1.30@34.421,19.3 ; U1.30@34.4,19.3 34.4,19.12 33.862,18.583 33.862,18.251 35.582,16.531 35.582,16.282 v1(34.7,15.4) ; v1(39.479,14.435) 39.479,15.624 39.655,15.8 54.9,15.8 56.27,14.43 J4.4@57.9,14.43
  Bottom Layer w0.3: v1(34.7,15.4) 34.845,15.255 34.845,14.611 35.021,14.435 v1(39.479,14.435)
SCK: J2.9 R4.2 U1.17 | length 13.8
  Top Layer w0.3: U1.17 33.504,10.336 33.504,10.159 33.1,9.755 33.1,4.584 35.484,2.2 J2.9
  Bottom Layer w0.3: J2.9 35.68,3.93 37.05,5.3 R4.2
TXO: J3.7 J4.5 U1.31 | length 54.6
  Top Layer w0.3: J3.7 34.415,23.985 34.415,20.62 33.856,20.061 U1.31 33.77,19.884 32.625,18.739 v1(32.539,18.739) ; v1(46.21,21.146) v1@46.21,21.408 ; v1@46.495,21.694 48.601,23.8 58.616,23.8 59.25,23.166 59.25,11.866 59.074,11.69 J4.5
  Bottom Layer w0.3: v1(32.539,18.739) 32.539,21.024 32.715,21.2 46.156,21.2 v1(46.21,21.146)
pads on no net: J1.2 J1.3

## Polygon pours and split planes (outlines as drawn)
GND on Top Layer "GND_L01_P000" (solid, remove dead copper, pour order 0): 0,0 0,30 59.9,30 59.9,0
GND on Bottom Layer "GND_L02_P001" (solid, remove dead copper, pour order 1): 59.9,0 59.9,30 0,30 0,0

## Keep-outs
Keep-Out Layer:
  the board outline again, w0.2

## Silkscreen, mask and mechanical layers (free items; w line width, h text height)
Top Overlay:
  drawing of 5 lines, arcs and shapes, not listed
  text "RAW" at 14.55,28.95 h0.5
  text "3.3V" at 17.15,28.95 h0.5
  text "GND" at 19.85,28.95 h0.5
  text "D4" at 22.55,28.95 h0.5
  text "D3" at 25.05,28.95 h0.5
  text "D2" at 27.65,28.95 h0.5
  text "TXO" at 29.85,28.95 h0.5
  text "RXI" at 32.55,28.95 h0.5
  text "RESET" at 34.55,28.95 h0.5
  text "A5/SCL" at 37.55,28.95 h0.3
  text "A4/SDA" at 39.95,28.95 h0.3
  text "A3" at 42.85,28.95 h0.5
  text "A2" at 45.45,28.95 h0.5
  text "A1" at 47.95,28.95 h0.5
  text "GND" at 54.783,21.35 h0.5
  text "GND" at 54.783,18.95 h0.5
  text "3.3V" at 54.367,16.55 h0.5
  text "RXI" at 54.95,13.95 h0.5
  text "TXO" at 54.783,11.55 h0.5
  text "DTR" at 54.783,8.95 h0.5
  text "D5" at 14.55,3.35 h0.5
  text "D6" at 17.25,3.35 h0.5
  text "D7" at 19.95,3.35 h0.5
  text "D8" at 22.45,3.35 h0.5
  text "D9" at 24.95,3.35 h0.5
  text "D10" at 27.45,3.35 h0.5
  text "MOSI" at 29.35,3.35 h0.5
  text "MISO" at 31.75,3.35 h0.5
  text "SCK" at 34.85,3.35 h0.5
  text "3.3V" at 37.25,3.35 h0.5
  text "GND" at 40.05,3.35 h0.5
  text "A6" at 42.75,3.35 h0.5
  text "A7" at 45.25,3.35 h0.5
  text "A0" at 47.85,3.35 h0.5
  text "sh.dalirian@ut.ac.ir" at 0.7,0.791 h1.5

## Text inside footprints (layer, text, board x,y; h text height)
J2: Bottom Overlay "1" at 15.666,4.259 h1 r90
J3: Bottom Overlay "1" at 15.6,29.7 h1 r90